# Altium PCB Lancelot.PcbDoc (part 13 of 14) (continued)
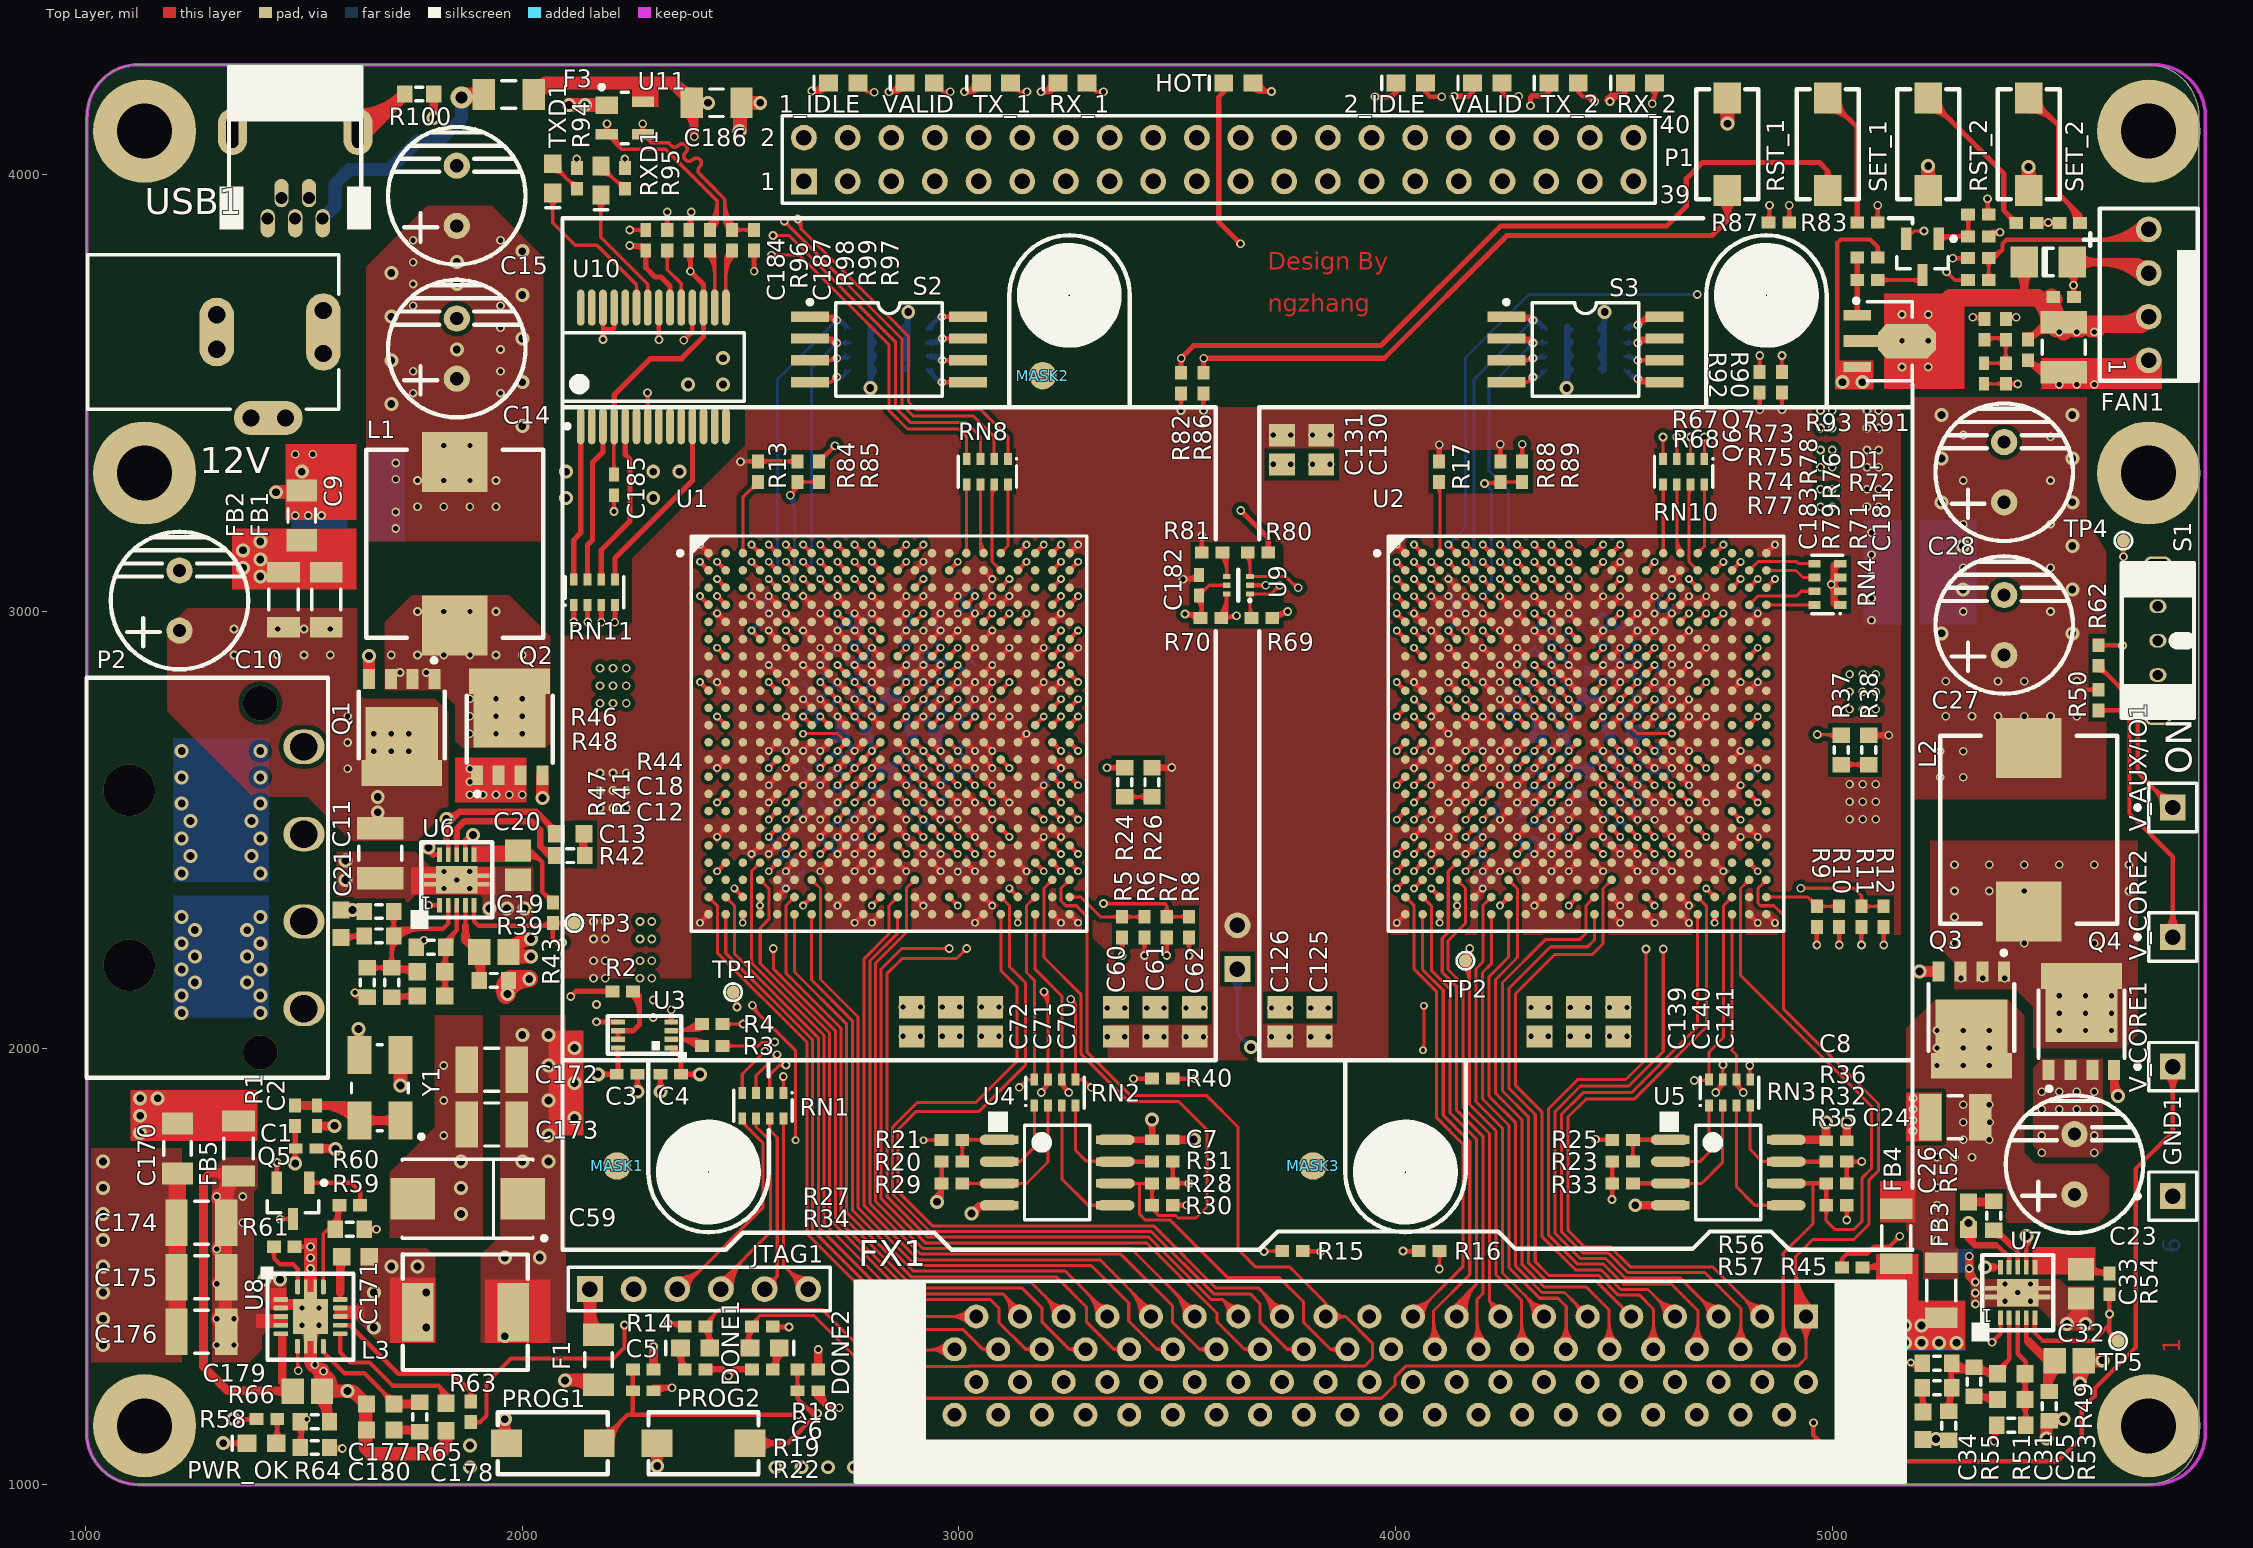
[diagram p0: Top Layer view]
## Nets (pads, with @x,y where several pads share a name; then routed paths per layer and width w, separated by ;. In a path a pad name is that pad's centre, name@x,y a point inside that pad or via, vN(x,y) a via of type N, cw(c..) or ccw(c..) an arc to the next point about the centre after c; other vN are vias at no path point) (continued)
  other v2: 4496,1653 3340,2092 3380,2092 3430,2092 3470,2092 3520,2092 3560,2092 3716,2092 3756,2092 3806,2092 3846,2092 4998,3062 3720,3337 3760,3337 3810,3337 3850,3337 5494.79,3891
  other v3: 1960,1340 1960,1520 2040,1520 2000,1740 2060,1740 2060,1800 3442,1836 2120,1840 2060,1880 2120,1920 2060,1960 2120,2000 2000,2030 2060,2030
VCC3V3_PG: R59.1 R60.2 U8.14 | length 393.6
  Top Layer w8: U8.14@1544.53,1452.91 1544.53,1574.53 1555,1585 1581.38,1585 R60.2@1581.38,1640 cw(c1523.63,1640) R59.1@1562.34,1597.15 ; R59.1@1567.7,1591.21 ccw(c1539.9,1621.99) 1581.38,1621.99 ; R60.2@1571.23,1634.64 cw(c1550.16,1620.83) 1574.49,1614.31 ; R59.1@1573.07,1585.27 ccw(c1556.17,1603.98) R59.1@1581.38,1603.98 ; R60.2@1574.46,1633.08 cw(c1557.77,1616.39) 1581.38,1616.39 cw(c1604.99,1616.39) R60.2@1588.29,1633.08 ; 1576.32,1621.14 cw(c1592.86,1616.71) R60.2@1584.3,1631.53
VCC5USB: C184.1 C186.2 F3.1 R94.2 R95.2 U10.20 U11.4 | length 1975.2
  Top Layer w12: R94.2@2119.54,4022.94 ccw(c2106.66,4036) v2(2125,4036) ; R94.2@2125,4015.43 v2(2125,4036) ; R94.2@2130.46,4022.94 cw(c2143.34,4036) v2(2125,4036) ; R95.2@2229.54,4022.94 ccw(c2216.66,4036) v2(2235,4036) ; R95.2@2235,4015.43 v2(2235,4036) ; R95.2@2240.46,4022.94 cw(c2253.34,4036) v2(2235,4036) ; v2(2246,3838) 2271.38,3838 C184.1@2283,3826.38 2283,3805 2283,3787 2304,3766 2318,3766 2338.39,3745.61 U10.20@2338.39,3695.83 ; v2@2248,3834.54 cw(c2254.78,3822.79) 2258.29,3835.89 ; v2@2250.42,3838 cw(c2250.42,3797.73) C184.1@2278.89,3826.21 ; C186.2@2394,4162.85 2396.15,4165 v3(2425.32,4165) ; C186.2@2404.02,4153.85 cw(c2425.31,4139.1) v3(2425.32,4165) ; C186.2@2404.02,4176.15 ccw(c2425.31,4190.9) v3(2425.32,4165) ; v3@2418.24,4157.93 ccw(c2401.17,4140.86) 2401.17,4165 ccw(c2401.17,4189.14) v3@2418.24,4172.07 ; C184.1@2278.89,3818.33 cw(c2268.97,3808.41) 2283,3808.41 ; C184.1@2278.89,3818.33 cw(c2268.97,3808.41) 2283,3808.41 ; C184.1@2278.89,3818.33 cw(c2268.97,3808.41) 2283,3808.41 ; 2283,3808.41 cw(c2297.03,3808.41) C184.1@2287.11,3818.33 ; 2283,3808.41 cw(c2297.03,3808.41) C184.1@2287.11,3818.33 ; 2283,3808.41 cw(c2297.03,3808.41) C184.1@2287.11,3818.33
  Top Layer w20: C186.2@2376.89,4144.13 cw(c2335.58,4102.82) 2394,4102.82 ; v2(2394,4087) C186.2@2394,4162.85
  Top Layer w30: F3.1@2026.09,4184 2052.09,4210 ; F3.1@2029,4204.02 ccw(c2035.47,4226.62) 2052.09,4210 ; F3.1@2033.58,4186.35 cw(c2090.66,4129.27) 2090.66,4210 ; 2359.75,4197.1 ccw(c2387.91,4225.26) C186.2@2387.91,4185.43 ; C186.2@2394,4162.85 2346.85,4210 2052.09,4210
  Mid-Layer 4 w12: v2(2125,4036) v2(2235,4036) 2343,4036 v2(2394,4087) ; v2(2246,3838) 2374,3838 2425.32,3889.32 v3(2425.32,4165) ; v3@2418.24,4157.93 cw(c2401.17,4140.86) 2425.32,4140.86 cw(c2449.46,4140.86) v3@2432.39,4157.93
VCC12V: C9.2 C22.2 C170.2 F2.2 FB1.2 FB2.2 FB3.2 FB4.2 FB5.2 Q6.3 R45.2 R67.1 | length 808.5
  Top Layer w10: 5012,3556.38 ccw(c5055.38,3556.38) v3@5024.71,3525.71 ; 5012,3580.53 ccw(c5079.53,3580.53) v3@5031.78,3532.78 ; v3@5013.72,3528.92 ccw(c5006.63,3531.63) 5012,3537 ; v3@5020.08,3535.28 cw(c5017.37,3542.37) 5012,3537 ; v3(5024,3525) 5012,3537 ; R45.2@5077.8,1490.79 cw(c5092.79,1475.8) 5092.79,1497 cw(c5092.79,1518.2) R45.2@5077.8,1503.21 ; 5092.64,1497 ccw(c5092.64,1543.89) FB4.2@5126.92,1511.89 ; R67.1@5098.41,3817.21 ccw(c5083.43,3832.2) 5104.62,3832.2 ccw(c5125.82,3832.2) R67.1@5110.83,3817.21 ; R67.1@5104.62,3811 5104.62,3834.38 5087,3852 5020,3852 5012,3844 5012,3537 ; FB4.2@5110.01,1497 cw(c5110.01,1482.8) FB4.2@5120.05,1492.84 ; FB4.2@5119.61,1518.72 cw(c5069.62,1565.38) R45.2@5069.62,1497 5137.99,1497 FB4.2@5147,1506.01
  other v3: 1880,1040 2580,1040 2640,1040 2700,1040 2760,1040 4040,1040 4100,1040 4160,1040 4220,1040 4280,1040 1880,1090 5127,1325 5167,1325 5205,1325 5245,1325 5285,1325 5127,1365 5167,1365 5205,1365 1125,1805 1125,1845 1125,1885 1165,1885 1220,2080 1400,2080 1220,2120 1400,2120 1250,2150 1370,2150 1220,2180 1400,2180 1250,2210 1370,2210 1220,2240 1400,2240 1370,2270 1250,2270.83 1220,2300 1400,2300 1400,3080 1360,3100 1400,3118.9 1360,3140 1400,3160 5069,3525
VCC_IN: 12V.1 12V.1A 12V.1B F2.1 FX1.62 FX1.63 FX1.64 FX1.65 FX1.66 FX1.67 FX1.68 FX1.69 FX1.70 FX1.71 FX1.72 FX1.74 FX1.76 FX1.78 FX1.80 P2.1
  other v3: 1220,2400 1400,2400 1240,2440 1380,2440 1220,2480 1400,2480 1240,2520 1380,2520 1220,2560 1400,2560 1220,2620 1400,2620 1220,2680 1400,2680
VCCINT1_PG: R43.1 R63.1 TP3.1 U6.5 | length 2104.7
  Top Layer w10: R63.1@1882,1143.38 1903.38,1143.38 1918,1158 1918,1233 1974,1289 2209,1289 2234,1314 v2(2234,1366) ; R63.1@1888.21,1137.17 cw(c1903.2,1122.18) 1903.2,1143.38 cw(c1903.2,1164.57) R63.1@1888.21,1149.59 ; U6.5@1889.37,2326.93 1889.37,2290.63 1900,2280 R43.1@2058.62,2280 ; 2038.16,2280 ccw(c2038.16,2316.25) R43.1@2063.79,2290.62 ; R43.1@2063.79,2278.2 cw(c2048.8,2263.21) 2070,2263.21 cw(c2091.2,2263.21) R43.1@2076.21,2278.2 ; R43.1@2076.21,2280.17 cw(c2090.28,2266.09) 2090.28,2286 ; R43.1@2076.21,2292.59 ccw(c2092.11,2308.49) 2092.11,2286 ; 2079.29,2239.71 ccw(c2088.23,2248.65) v2@2094.47,2237.65 ; v2@2088.46,2238.46 ccw(c2079.93,2229.93) 2079.93,2242 ccw(c2079.93,2254.07) v2@2088.46,2245.54 ; v2@2089.53,2246.35 cw(c2081.51,2260.51) 2070,2249 ; v2(2092,2242) 2077,2242 2070,2249 ; TP3.1@2111.93,2278.93 ccw(c2094.86,2261.86) 2094.86,2286 ccw(c2094.86,2310.14) TP3.1@2111.93,2293.07 ; TP3.1@2119,2286 2070.38,2286 R43.1@2070,2286.38 2070,2249 ; v2@2230.46,1362.46 cw(c2221.93,1353.93) 2234,1353.93 cw(c2246.07,1353.93) v2@2237.54,1362.46
  Mid-Layer 4 w10: v2@2088.46,2238.46 cw(c2079.93,2229.93) 2092,2229.93 cw(c2104.07,2229.93) v2@2095.54,2238.46 ; v2(2092,2242) 2092,2188 2148,2132 2148,2040 2207,1981 2207,1870 2300,1777 2300,1430 2236,1366 v2(2234,1366) ; v2@2234,1371 ccw(c2234,1387.9) 2245.95,1375.95
VCCINT1V2_A: C14.1 C15.1 C16.2 C17.2 C21.2 C66.1 C67.2 C68.2 C69.2 C70.2 C71.2 C72.2 C73.2 C74.2 C75.2 C76.2 C77.2 C78.2 C79.2 C80.2 C81.2 C82.2 C83.2 C84.2 C85.2 C86.2 C87.2 C88.2 C89.2 C90.2 C91.2 C92.2 C93.2 C94.2 C95.2 C96.2 C97.2 C98.2 C99.2 C100.2 L1.2 R40.2 R46.1 U1.J8 U1.J10 U1.J12 U1.J14 U1.K9 U1.K11 U1.K13 U1.L10 U1.L12 U1.L14 U1.M9 U1.M11 U1.M13 U1.N10 U1.N12 U1.N14 U1.P9 U1.P11 U1.P13 U1.R14 | length 7185.2
  Top Layer w7: v1(2643,2720) 2721.89,2720 U1.M9@2741.57,2700.32 ; U1.M9@2735.23,2700.32 ccw(c2719.92,2700.32) 2730.75,2711.14 ccw(c2741.57,2721.97) U1.M9@2741.57,2706.66
  Top Layer w10: C21.2@1597.45,2308.71 cw(c1611.5,2299.92) v3(1611.5,2316.5) ; C21.2@1597.45,2324.28 ccw(c1611.5,2333.07) v3(1611.5,2316.5) ; C21.2@1603.71,2308.73 ccw(c1585,2290.07) C21.2@1585,2316.5 ; C21.2@1603.71,2324.26 cw(c1585,2342.92) C21.2@1585,2316.5 ; v3@1619.28,2308.72 cw(c1629.62,2298.38) R46.1@1629.62,2313 ; v3@1620.67,2322.58 ccw(c1638.53,2334.45) R46.1@1638.54,2313 v3@1615,2313 ; R46.1@1627.9,2306.03 ccw(c1615,2297.58) v3@1615,2313 ; R46.1@1627.9,2319.97 cw(c1615,2328.42) v3@1615,2313 ; v1@2682.52,2834.11 cw(c2682.52,2824.45) 2689.35,2831.28 cw(c2696.18,2838.11) v1@2686.52,2838.11 ; v1(2682.52,2838.11) U1.J8@2702.2,2818.43 ; U1.J8@2697.36,2818.43 ccw(c2685.67,2818.43) 2693.94,2826.69 ccw(c2702.2,2834.96) U1.J8@2702.2,2823.27 ; U1.J8@2702,2818 v1@2721.69,2798.31 ; U1.J8@2702.2,2813.58 cw(c2702.2,2803.41) 2709.4,2810.6 ; U1.J8@2707.05,2818.43 ccw(c2720.26,2818.43) 2710.92,2809.08 ; 2713.98,2806.02 ccw(c2721.89,2813.92) v1@2721.89,2802.74 ; v1(2721.89,2601.89) v1(2761.26,2641.26) U1.N10@2780.94,2660.95 ; v1@2721.89,2605.89 ccw(c2721.89,2615.55) 2728.72,2608.72 ccw(c2735.55,2601.89) v1@2725.89,2601.89 ; v1(2721.89,2680.63) U1.M9@2741.57,2700.32 ; v1@2721.89,2684.63 ccw(c2721.89,2694.29) 2728.72,2687.46 ccw(c2735.55,2680.63) v1@2725.89,2680.63 ; v1@2721.89,2794.74 cw(c2721.89,2785.08) 2728.72,2791.91 cw(c2735.55,2798.74) v1@2725.89,2798.74 ; v1(2721.89,2798.74) U1.K9@2741.57,2779.06 ; U1.P9@2736.73,2621.57 cw(c2725.04,2621.57) 2733.31,2613.31 cw(c2741.57,2605.04) U1.P9@2741.57,2616.73 ; U1.M9@2736.73,2700.32 cw(c2725.04,2700.32) 2733.31,2692.05 cw(c2741.57,2683.78) U1.M9@2741.57,2695.47 ; U1.K9@2736.73,2779.06 ccw(c2725.04,2779.06) 2733.31,2787.32 ccw(c2741.57,2795.59) U1.K9@2741.57,2783.9 ; U1.K9@2741.43,2778 v1@2761.11,2758.31 ; U1.P9@2741.57,2626.42 ccw(c2741.57,2638.11) 2749.84,2629.84 ccw(c2758.11,2621.57) U1.P9@2746.42,2621.57 ; U1.K9@2746.42,2779.06 ccw(c2761.01,2779.06) 2750.69,2768.74 ; 2752.38,2767.05 ccw(c2761.26,2775.93) v1@2761.26,2763.37 ; v1@2757.26,2641.26 cw(c2747.6,2641.26) 2754.43,2634.43 cw(c2761.26,2627.6) v1@2761.26,2637.26 ; v1@2761.26,2645.26 ccw(c2761.26,2654.92) 2768.09,2648.09 ccw(c2774.92,2641.26) v1@2765.26,2641.26 ; v1@2761.26,2755.37 cw(c2761.26,2745.71) 2768.09,2752.54 cw(c2774.92,2759.37) v1@2765.26,2759.37 ; v1(2761.26,2759.37) U1.L10@2780.94,2739.69 ; v1@2761.26,2834.11 cw(c2761.26,2824.45) 2768.09,2831.28 cw(c2774.92,2838.11) v1@2765.26,2838.11 ; v1(2761.26,2838.11) U1.J10@2780.94,2818.43 ; U1.N10@2776.1,2660.95 cw(c2764.41,2660.95) 2772.68,2652.68 cw(c2780.94,2644.41) U1.N10@2780.94,2656.1 ; U1.L10@2776.1,2739.69 ccw(c2764.41,2739.69) 2772.68,2747.95 ccw(c2780.94,2756.22) U1.L10@2780.94,2744.53 ; U1.J10@2776.1,2818.43 ccw(c2764.41,2818.43) 2772.68,2826.69 ccw(c2780.94,2834.96) U1.J10@2780.94,2823.27 ; U1.N10@2780.94,2665.79 ccw(c2780.94,2675.06) 2787.5,2668.5 ; U1.J10@2780.94,2813.58 cw(c2780.94,2801.47) 2789.51,2810.04 ; U1.N10@2781,2662 v1@2800.69,2681.69 ; U1.J10@2781.03,2818.51 v1@2800.72,2798.83 ; U1.N10@2785.79,2660.95 cw(c2799.89,2660.95) 2789.92,2670.92 ; U1.J10@2785.79,2818.43 ccw(c2797.06,2818.43) 2789.09,2810.46 ; 2792.09,2673.09 cw(c2800.63,2664.56) v1@2800.63,2676.63 ; 2793.68,2805.87 cw(c2786.55,2798.74) v1@2796.63,2798.74 ; 2794.1,2805.45 ccw(c2800.63,2811.98) v1@2800.63,2802.74 ; v1(2800.63,2601.89) U1.P11@2820.32,2621.57 ; v1@2800.63,2605.89 ccw(c2800.63,2615.55) 2807.46,2608.72 ccw(c2814.29,2601.89) v1@2804.63,2601.89 ; v1(2800.63,2680.63) U1.M11@2820.32,2700.32 ; v1@2800.63,2684.63 ccw(c2800.63,2694.29) 2807.46,2687.46 ccw(c2814.29,2680.63) v1@2804.63,2680.63 ; v1@2800.63,2794.74 cw(c2800.63,2785.08) 2807.46,2791.91 cw(c2814.29,2798.74) v1@2804.63,2798.74 ; v1(2800.63,2798.74) U1.K11@2820.32,2779.06 ; U1.P11@2815.47,2621.57 cw(c2803.78,2621.57) 2812.05,2613.31 cw(c2820.32,2605.04) U1.P11@2820.32,2616.73 ; U1.M11@2815.47,2700.32 cw(c2803.78,2700.32) 2812.05,2692.05 cw(c2820.32,2683.78) U1.M11@2820.32,2695.47 ; U1.K11@2815.47,2779.06 ccw(c2803.78,2779.06) 2812.05,2787.32 ccw(c2820.32,2795.59) U1.K11@2820.32,2783.9 ; U1.N12@2859.69,2656.1 cw(c2859.69,2644.41) 2867.95,2652.68 cw(c2876.22,2660.95) U1.N12@2864.53,2660.95 ; U1.N12@2859.69,2660.95 v1(2879.37,2641.26) U1.P13@2899.06,2621.57 U1.R14@2938.34,2582.29 ; U1.L12@2859.69,2739.69 v1(2879.37,2759.37) ; U1.L12@2859.69,2744.53 ccw(c2859.69,2756.22) 2867.95,2747.95 ccw(c2876.22,2739.69) U1.L12@2864.53,2739.69 ; U1.J12@2859.69,2818.43 v1(2879.37,2838.11) ; U1.J12@2859.69,2823.27 ccw(c2859.69,2834.96) 2867.95,2826.69 ccw(c2876.22,2818.43) U1.J12@2864.53,2818.43 ; v1@2875.37,2641.26 ccw(c2865.71,2641.26) 2872.54,2648.09 ccw(c2879.37,2654.92) v1@2879.37,2645.26 ; v1@2875.37,2759.37 cw(c2865.71,2759.37) 2872.54,2752.54 cw(c2879.37,2745.71) v1@2879.37,2755.37 ; v1@2875.37,2838.11 cw(c2865.71,2838.11) 2872.54,2831.28 cw(c2879.37,2824.45) v1@2879.37,2834.11 ; v1@2879.37,2637.26 cw(c2879.37,2627.6) 2886.2,2634.43 cw(c2893.03,2641.26) v1@2883.37,2641.26 ; U1.P13@2894.21,2621.57 ccw(c2882.52,2621.57) 2890.79,2629.84 ccw(c2899.06,2638.11) U1.P13@2899.06,2626.42 ; U1.P13@2899.06,2616.73 cw(c2899.06,2605.04) 2907.32,2613.31 cw(c2915.59,2621.57) U1.P13@2903.9,2621.57 ; U1.M13@2899.06,2695.47 cw(c2899.06,2683.78) 2907.32,2692.05 cw(c2915.59,2700.32) U1.M13@2903.9,2700.32 ; U1.M13@2899.06,2700.32 v1(2918.74,2680.63) U1.N14@2938.43,2660.95 v1(2958.11,2641.26) ; U1.K13@2899.06,2779.06 v1(2918.74,2798.74) v1(2958.11,2838.11) ; U1.K13@2899.06,2783.9 ccw(c2899.06,2795.59) 2907.32,2787.32 ccw(c2915.59,2779.06) U1.K13@2903.9,2779.06 ; v1@2914.74,2601.89 ccw(c2905.08,2601.89) 2911.91,2608.72 ccw(c2918.74,2615.55) v1@2918.74,2605.89 ; v1@2914.74,2680.63 ccw(c2905.08,2680.63) 2911.91,2687.46 ccw(c2918.74,2694.29) v1@2918.74,2684.63 ; v1@2914.74,2798.74 cw(c2905.08,2798.74) 2911.91,2791.91 cw(c2918.74,2785.08) v1@2918.74,2794.74 ; v1@2918.74,2597.89 cw(c2918.74,2588.23) 2925.57,2595.06 cw(c2932.4,2601.89) v1@2922.74,2601.89 ; v1@2918.74,2676.63 cw(c2918.74,2666.97) 2925.57,2673.8 cw(c2932.4,2680.63) v1@2922.74,2680.63 ; v1@2918.74,2802.74 ccw(c2918.74,2812.4) 2925.57,2805.57 ccw(c2932.4,2798.74) v1@2922.74,2798.74 ; U1.R14@2933.58,2582.2 ccw(c2921.89,2582.2) 2930.16,2590.47 ccw(c2938.43,2598.74) U1.R14@2938.43,2587.05 ; U1.N14@2933.58,2660.95 ccw(c2921.89,2660.95) 2930.16,2669.21 ccw(c2938.43,2677.48) U1.N14@2938.43,2665.79 ; U1.J14@2933.58,2818.43 cw(c2921.89,2818.43) 2930.16,2810.16 cw(c2938.43,2801.89) U1.J14@2938.43,2813.58 ; U1.R14@2938.43,2577.36 cw(c2938.43,2565.67) 2946.69,2573.94 cw(c2954.96,2582.2) U1.R14@2943.27,2582.2 ; U1.R14@2938.43,2582.2 v1(2958.11,2562.52) ; U1.N14@2938.43,2656.1 cw(c2938.43,2644.41) 2946.69,2652.68 cw(c2954.96,2660.95) U1.N14@2943.27,2660.95 ; U1.L14@2938.43,2739.69 v1(2958.11,2759.37) ; U1.L14@2938.43,2744.53 ccw(c2938.43,2756.22) 2946.69,2747.95 ccw(c2954.96,2739.69) U1.L14@2943.27,2739.69 ; U1.J14@2938.43,2823.27 ccw(c2938.43,2834.96) 2946.69,2826.69 ccw(c2954.96,2818.43) U1.J14@2943.27,2818.43 ; v1@2954.11,2562.52 ccw(c2944.45,2562.52) 2951.28,2569.35 ccw(c2958.11,2576.18) v1@2958.11,2566.52 ; v1@2954.11,2641.26 ccw(c2944.45,2641.26) 2951.28,2648.09 ccw(c2958.11,2654.92) v1@2958.11,2645.26 ; v1@2954.11,2759.37 cw(c2944.45,2759.37) 2951.28,2752.54 cw(c2958.11,2745.71) v1@2958.11,2755.37 ; v1@2954.11,2838.11 cw(c2944.45,2838.11) 2951.28,2831.28 cw(c2958.11,2824.45) v1@2958.11,2834.11 ; v2(3400,1930) R40.2@3442.38,1930 ; v2@3403.54,1926.46 cw(c3412.07,1917.93) 3412.07,1930 cw(c3412.07,1942.07) v2@3403.54,1933.54 ; R40.2@3434.2,1923.79 ccw(c3419.21,1908.8) 3419.21,1930 ccw(c3419.21,1951.2) R40.2@3434.2,1936.21 ; C21.2@1585,2316.5 v3(1611.5,2316.5) ; v3(1611.5,2316.5) v3@1615,2313
  Mid-Layer 4 w15: v3@1605.49,2310.49 cw(c1590.98,2295.98) 1611.5,2295.98 cw(c1632.02,2295.98) v3@1617.51,2310.49 ; v3(1611.5,2316.5) 1611.5,2216.96 1715.46,2113 1894,2113 1917,2090 2008,2090 2062,2144 2062,2278.38 2318,2534.38 2318,2841.13 2347.87,2871 2452.78,2871 2603.78,2720 v1(2643,2720)
  Bottom Layer w10: v1@2681.48,2841.98 ccw(c2677,2858.69) 2691.99,2850.04 ; v1@2682.23,2838.23 C81.2@2702,2858 ; v1@2686.52,2838.11 cw(c2697.16,2838.11) 2689.64,2845.64 ; 2689.2,2845.2 ccw(c2676.39,2858) C81.2@2694.5,2858 ; C93.2@2702,2582 2721.75,2601.75 C94.2@2741.5,2582 ; C75.2@2702,2662 2721.75,2681.75 C92.2@2741.5,2662 v1@2761.27,2642.23 ; C79.2@2702,2778 v1@2721.71,2797.71 ; C93.2@2709.5,2582 cw(c2727.61,2582) 2714.8,2594.8 ; C75.2@2709.5,2662 cw(c2727.61,2662) 2714.8,2674.8 ; C79.2@2709.5,2778 cw(c2727.61,2778) 2714.8,2790.8 ; C75.2@2710.38,2667.14 cw(c2728.27,2656.81) v1@2722.92,2676.77 ; 2711.68,2589.4 cw(c2727.72,2580.14) v1@2722.92,2598.03 ; 2712.57,2786.93 cw(c2727.34,2778.4) v1@2722.92,2794.88 ; 2712.91,2672.91 cw(c2721.89,2663.93) 2721.89,2676.63 cw(c2721.89,2664.6) 2730.39,2673.11 ; 2714.46,2790.46 ccw(c2706.17,2798.74) v1@2717.89,2798.74 ; v1@2717.89,2601.89 cw(c2708.23,2601.89) 2715.06,2595.06 cw(c2721.89,2588.23) 2721.89,2597.89 cw(c2721.89,2588.9) 2728.24,2595.26 ; v1@2720.85,2598.03 cw(c2716.27,2580.94) 2731.6,2589.78 ; v1@2720.85,2676.77 cw(c2715.72,2657.6) C92.2@2732.9,2667.52 ; v1@2720.85,2794.88 cw(c2716.71,2779.4) 2730.58,2787.41 ; v1@2721.66,2797.77 v1@2721.71,2797.71 ; v1@2721.77,2797.77 v1@2721.71,2797.71 ; v1@2725.89,2601.89 ccw(c2736.22,2601.89) 2728.91,2594.59 ; v1@2725.89,2798.74 ccw(c2738.45,2798.74) 2729.57,2789.86 ; 2728.63,2790.8 cw(c2715.82,2778) C73.2@2733.93,2778 ; 2728.7,2594.8 cw(c2715.89,2582) C94.2@2734,2582 ; v1@2728.7,2674.8 cw(c2715.89,2662) C92.2@2734,2662 ; C82.2@2742,2858 v1@2761.5,2838.5 ; C73.2@2748.93,2778 ccw(c2767.04,2778) 2754.23,2765.2 ; C92.2@2749,2662 ccw(c2767.11,2662) 2754.3,2649.2 ; C82.2@2749.5,2858 ccw(c2767.61,2858) 2754.8,2845.2 ; C73.2@2749.85,2772.78 ccw(c2767.6,2783.03) v1@2762.29,2763.23 ; 2752.17,2652.89 ccw(c2766.61,2661.23) v1@2762.29,2645.12 ; 2752.18,2849.73 ccw(c2766.6,2858.06) v1@2762.29,2841.98 ; 2752.38,2767.05 ccw(c2761.26,2775.93) 2761.26,2763.37 ccw(c2761.26,2775.37) 2769.74,2766.88 ; 2753.74,2649.76 cw(c2745.23,2641.26) v1@2757.26,2641.26 ; 2753.99,2846.01 cw(c2746.08,2838.11) v1@2757.26,2838.11 ; v1@2760.22,2645.12 ccw(c2755.71,2661.97) 2770.82,2653.25 ; v1@2760.22,2755.51 cw(c2757.04,2743.62) 2767.7,2749.77 ; v1@2760.22,2763.23 ccw(c2755.1,2782.36) C74.2@2772.25,2772.46 ; v1@2760.22,2841.98 ccw(c2755.55,2859.43) 2771.2,2850.4 ; v1@2761.17,2641.17 v1(2761.26,2641.26) C91.2@2780.94,2660.95 ; v1@2761.2,2758.23 2761.14,2758.29 2760.66,2758.77 C73.2@2741.43,2778 v1@2721.71,2797.71 ; v1@2761.26,2645.26 ccw(c2761.26,2654.92) 2768.09,2648.09 ccw(c2774.92,2641.26) v1@2765.26,2641.26 ; v1@2761.26,2755.37 cw(c2761.26,2745.71) 2768.09,2752.54 cw(c2774.92,2759.37) v1@2765.26,2759.37 ; v1(2761.26,2759.37) v1@2761.74,2758.89 ; v1@2761.23,2838.23 v1@2761.5,2838.5 ; v1@2761.26,2842.11 ccw(c2761.26,2851.41) 2767.84,2844.84 ; v1@2761.77,2838.23 v1@2761.5,2838.5 ; v1@2763.38,2757.25 cw(c2726.14,2720) C97.2@2778.81,2720 ; v1@2765.26,2838.11 cw(c2775.27,2838.11) 2768.19,2845.19 ccw(c2755.39,2858) C83.2@2773.5,2858 ; v1@2767.49,2647.49 ccw(c2752.98,2662) C91.2@2773.5,2662 ; v1@2768.05,2765.2 ccw(c2755.25,2778) C74.2@2773.36,2778 ; 2780.45,2740.18 cw(c2760.28,2720) C97.2@2788.81,2720 ; 2780.61,2740.02 ccw(c2793.5,2752.91) C97.2@2793.5,2734.68 ; C95.2@2780.94,2582.2 v1(2800.63,2601.89) ; C91.2@2781,2662 v1@2800.63,2681.63 ; C83.2@2781,2858 v1@2761.5,2838.5 ; C97.2@2785.8,2707.49 cw(c2769.5,2680.97) v1@2800.63,2680.97 ; C74.2@2788.36,2778 cw(c2806.46,2778) 2793.66,2790.8 ; C95.2@2788.5,2582 cw(c2807.23,2582) 2793.99,2595.25 ; C91.2@2788.5,2662 cw(c2806.61,2662) v1@2793.8,2674.8 ; C91.2@2789.58,2667.5 cw(c2806.81,2657.55) v1@2801.66,2676.77 ; 2790.76,2589.66 cw(c2806.31,2580.68) 2801.66,2598.03 cw(c2803.95,2589.51) 2808.36,2597.14 ; C97.2@2791.04,2716.01 cw(c2780.5,2698.86) 2800.63,2698.86 ; 2791.52,2787.09 cw(c2805.99,2778.74) v1@2801.66,2794.88 ; 2792.09,2673.09 cw(c2800.63,2664.56) v1@2800.63,2676.63 ; 2793.12,2790.26 ccw(c2784.63,2798.74) v1@2796.63,2798.74 ; v1@2796.63,2601.89 cw(c2786.97,2601.89) 2793.8,2595.06 cw(c2800.63,2588.23) 2800.63,2597.89 cw(c2800.63,2588.23) 2807.46,2595.06 cw(c2814.29,2601.89) v1@2804.63,2601.89 ; v1@2797.16,2682.63 ccw(c2788.54,2687.61) 2798.16,2690.19 ; v1@2797.8,2683.46 ccw(c2790.97,2690.29) 2800.63,2690.29 ccw(c2810.29,2690.29) v1@2803.46,2683.46 ; 2798.27,2689.77 ccw(c2807.31,2692.19) v1@2802.63,2684.09 ; v1(2800.63,2680.63) v1@2800.63,2681.63 ; v1(2800.63,2798.74) 2800.63,2797.77 C74.2@2780.86,2778 v1@2761.74,2758.89 ; v1@2800.72,2601.98 v1(2800.63,2601.89) ; v1@2801.3,2601.22 ccw(c2840,2639.92) C100.2@2840,2585.19 ; v1@2804.49,2602.92 ccw(c2814.63,2605.64) 2809.38,2596.55 ; 2818.37,2584.15 ccw(c2840,2605.78) C100.2@2840,2575.19 ; C100.2@2820.58,2581.94 cw(c2809.14,2570.5) C100.2@2825.31,2570.5 ; C100.2@2840,2570.5 2832.01,2570.5 v1(2800.63,2601.89) ; C98.2@2840,2854.81 cw(c2840,2800.08) v1@2878.7,2838.78 ; C98.2@2840,2864.81 cw(c2840,2834.22) 2861.63,2855.85 ; C98.2@2840,2869.5 2847.99,2869.5 v1@2879.24,2838.24 ; C98.2@2854.69,2869.5 ccw(c2870.86,2869.5) C98.2@2859.42,2858.06 ; 2870.62,2843.45 cw(c2865.37,2834.36) v1@2875.51,2837.08 ; 2871.64,2842.86 ccw(c2876.05,2850.5) v1@2878.34,2841.97 ; v1@2875.37,2838.11 ccw(c2865.71,2838.11) 2872.54,2844.94 ccw(c2879.37,2851.77) 2879.37,2842.11 ccw(c2879.37,2851.14) 2885.76,2844.76 ; v1@2876.54,2756.54 cw(c2869.71,2749.71) 2879.37,2749.71 cw(c2889.03,2749.71) v1@2882.2,2756.54 ; v1@2877.37,2755.91 cw(c2872.54,2747.55) 2881.87,2750.04 cw(c2891.2,2752.54) v1@2882.84,2757.37 ; v1@2878.34,2645.12 ccw(c2873.88,2661.74) 2888.78,2653.14 ; v1@2878.34,2763.23 ccw(c2873.4,2781.66) C76.2@2889.92,2772.12 ; v1@2878.34,2841.98 ccw(c2873.74,2859.11) 2889.11,2850.24 ; v1@2879.28,2641.17 C86.2@2899.06,2660.95 ; v1@2879.37,2645.26 ccw(c2879.37,2654.91) 2886.2,2648.09 ccw(c2893.03,2641.26) v1@2883.37,2641.26 ; 2879.37,2741.32 ccw(c2899.83,2741.32) C99.2@2888.99,2723.97 ; v1@2879.37,2763.37 ccw(c2879.37,2773.03) 2886.2,2766.2 ccw(c2893.03,2759.37) v1@2883.37,2759.37 ; v1(2879.37,2838.11) v1@2879.24,2838.24 ; v1@2883.37,2838.11 cw(c2893.66,2838.11) 2886.38,2845.38 ; v1@2885.41,2647.3 ccw(c2870.71,2662) C86.2@2891.5,2662 ; 2886.2,2845.2 ccw(c2873.39,2858) C85.2@2891.5,2858 ; C99.2@2886.5,2705.32 cw(c2886.5,2687.08) 2899.39,2699.98 ; 2886.9,2766.9 ccw(c2875.81,2778) C76.2@2891.5,2778 ; C99.2@2891.19,2720 ccw(c2919.72,2720) 2899.55,2699.82 ; C99.2@2894.29,2732.45 cw(c2911.12,2759.37) v1(2879.37,2759.37) ; C86.2@2898.97,2660.86 v1(2918.74,2680.63) ; C88.2@2899,2582 v1@2918.77,2601.77 ; C76.2@2899,2778 v1@2918.77,2797.77 ; C85.2@2899,2858 v1@2879.24,2838.24 ; C76.2@2899.14,2779.14 v1(2879.37,2759.37) ; C99.2@2901.19,2720 ccw(c2953.86,2720) v1@2916.62,2682.75 ; C88.2@2906.5,2582 cw(c2924.61,2582) 2911.8,2594.8 ccw(c2904.73,2601.89) v1@2914.74,2601.89 ; C86.2@2906.5,2662 cw(c2921.92,2662) 2911.02,2672.9 ; C76.2@2906.5,2778 cw(c2924.61,2778) 2911.8,2790.8 ; C86.2@2908.05,2667.77 cw(c2924.77,2658.11) v1@2919.78,2676.77 ; 2908.8,2589.6 cw(c2924.45,2580.57) v1@2919.78,2598.03 ; 2909.68,2787.13 cw(c2924.08,2778.82) v1@2919.78,2794.88 ; 2911.21,2790.21 ccw(c2902.67,2798.74) v1@2914.74,2798.74 ; 2912.17,2595.16 cw(c2918.74,2588.59) 2918.74,2597.89 cw(c2918.74,2588.23) 2925.57,2595.06 cw(c2932.4,2601.89) v1@2922.74,2601.89 ; 2912.3,2690.23 ccw(c2922.96,2696.38) v1@2919.78,2684.49 ; v1@2917.71,2598.03 cw(c2912.99,2580.41) 2928.78,2589.53 ; v1@2917.71,2676.77 cw(c2912.46,2657.18) C87.2@2930.02,2667.32 ; v1@2917.71,2794.88 cw(c2913.34,2778.57) 2927.96,2787.01 ; v1@2918.65,2601.98 v1(2918.74,2601.89) C89.2@2938.43,2582.2 ; v1@2918.74,2684.63 cw(c2918.74,2694.29) 2911.91,2687.46 cw(c2905.08,2680.63) 2914.74,2680.63 cw(c2905.08,2680.63) 2911.91,2673.8 cw(c2918.74,2666.97) 2918.74,2676.63 cw(c2918.74,2664.24) 2927.5,2673 ; v1@2918.8,2797.77 C77.2@2938.57,2778 2958.34,2758.23 C78.2@2978.14,2778 ; v1@2922.74,2798.74 ccw(c2934.6,2798.74) 2926.21,2790.36 ; 2925.6,2595.03 cw(c2912.58,2582) C89.2@2931,2582 ; 2925.7,2674.8 cw(c2912.89,2662) C87.2@2931,2662 ; 2925.77,2790.8 cw(c2912.96,2778) C77.2@2931.07,2778 ; C87.2@2938.34,2661.03 v1(2958.11,2641.26) ; C89.2@2938.5,2582 2958.25,2562.25 C90.2@2978,2582 ; C87.2@2938.5,2662 2919.87,2680.63 v1(2918.74,2680.63) ; C84.2@2938.5,2858 2958.25,2838.25 C80.2@2978,2858 ; C89.2@2946,2582 ccw(c2964.11,2582) 2951.3,2569.2 ; C87.2@2946,2662 ccw(c2966.83,2662) v1@2952.1,2647.27 ; C84.2@2946,2858 ccw(c2964.11,2858) 2951.3,2845.2 ; C77.2@2946.07,2778 ccw(c2964.18,2778) v1@2951.37,2765.2 ; C77.2@2947.23,2772.38 ccw(c2964.23,2782.2) v1@2959.15,2763.23 ; C89.2@2947.98,2574.95 ccw(c2963.91,2584.14) v1@2959.15,2566.38 ; 2948.4,2850.22 ccw(c2963.73,2859.06) v1@2959.15,2841.98 ; 2948.72,2653.12 ccw(c2963.59,2661.7) v1@2959.15,2645.12 ; 2949.73,2766.84 ccw(c2958.11,2775.23) 2958.11,2763.37 ccw(c2958.11,2776.41) 2967.33,2767.19 ; 2951.06,2569.44 ccw(c2958.11,2576.49) 2958.11,2566.52 ccw(c2958.11,2577.16) 2965.64,2569.64 ; 2951.09,2845.41 cw(c2943.78,2838.11) v1@2954.11,2838.11 ; 2951.37,2569.13 cw(c2944.77,2562.52) v1@2954.11,2562.52 ; 2951.76,2844.74 ccw(c2958.11,2851.1) 2958.11,2842.11 ccw(c2958.11,2851.77) 2964.94,2844.94 ccw(c2971.77,2838.11) v1@2962.11,2838.11 ; v1@2954.11,2641.26 ccw(c2944.45,2641.26) 2951.28,2648.09 ccw(c2958.11,2654.92) v1@2958.11,2645.26 ; v1@2957.08,2566.38 ccw(c2952.1,2584.94) C90.2@2968.74,2575.33 ; v1@2957.08,2645.12 ccw(c2952.66,2661.6) 2967.43,2653.07 ; v1@2957.08,2763.23 ccw(c2951.62,2783.6) C78.2@2969.88,2773.06 ; v1@2957.08,2841.98 ccw(c2952.28,2859.86) 2968.32,2850.6 ; v1@2958.23,2642.23 C96.2@2978,2662 ; v1@2962.11,2641.26 cw(c2973.83,2641.26) 2965.54,2649.54 ; 2965.2,2569.2 ccw(c2952.39,2582) C90.2@2970.5,2582 ; 2965.2,2649.2 ccw(c2952.39,2662) C96.2@2970.5,2662 ; 2965.2,2845.2 ccw(c2952.39,2858) C80.2@2970.5,2858 ; 2965.34,2765.2 ccw(c2952.54,2778) C78.2@2970.64,2778 ; v1@2761.74,2758.89 2793.5,2727.13 C97.2@2793.5,2720 2800.63,2712.87 v1@2800.63,2681.63 ; v1(2879.37,2759.37) 2879.37,2727.13 C99.2@2886.5,2720 2886.5,2712.87 v1(2918.74,2680.63)
  other v2: 2300,2070 2872,2094 2912,2094 2962,2094 3002,2094 3052,2094 3092,2094 2300,2110 2269.37,2160 2296.3,2160 2269.37,2200 2296.3,2200 2269.37,2250 2296.3,2250 2269.37,2290 2296.3,2290 2178,2790 2208,2790 2238,2790 2178,2830 2208,2830 2238,2830 2178,2870 2208,2870 2238,2870 1710,3190 1710,3227.5 1760,3240 1820,3240 1880,3240 1940,3240 1760,3300 1820,3300 1880,3300 1940,3300 1710,3302.5 1710,3340 1820,3380 1880,3380 1750,3500 1950,3500 1750,3550 1950,3550 1950,3600 1950,3650 1750,3700 1950,3700 1750,3750 1750,3800 1750,3850 1950,3850
  other v3: 2100,3260 2300,3260 2100,3320 2300,3320 2360,3320 2000,3425 1700,3475 2380,3520 2460,3520 2000,3525 1700,3575 2460,3580 1850,3600 2000,3625 1700,3675 2000,3725 1850,3750 1700,3775 1850,3800 2000,3825